# Altium PCB Computer_Board_Mockup.PcbDoc (part 1 of 5) (continued)
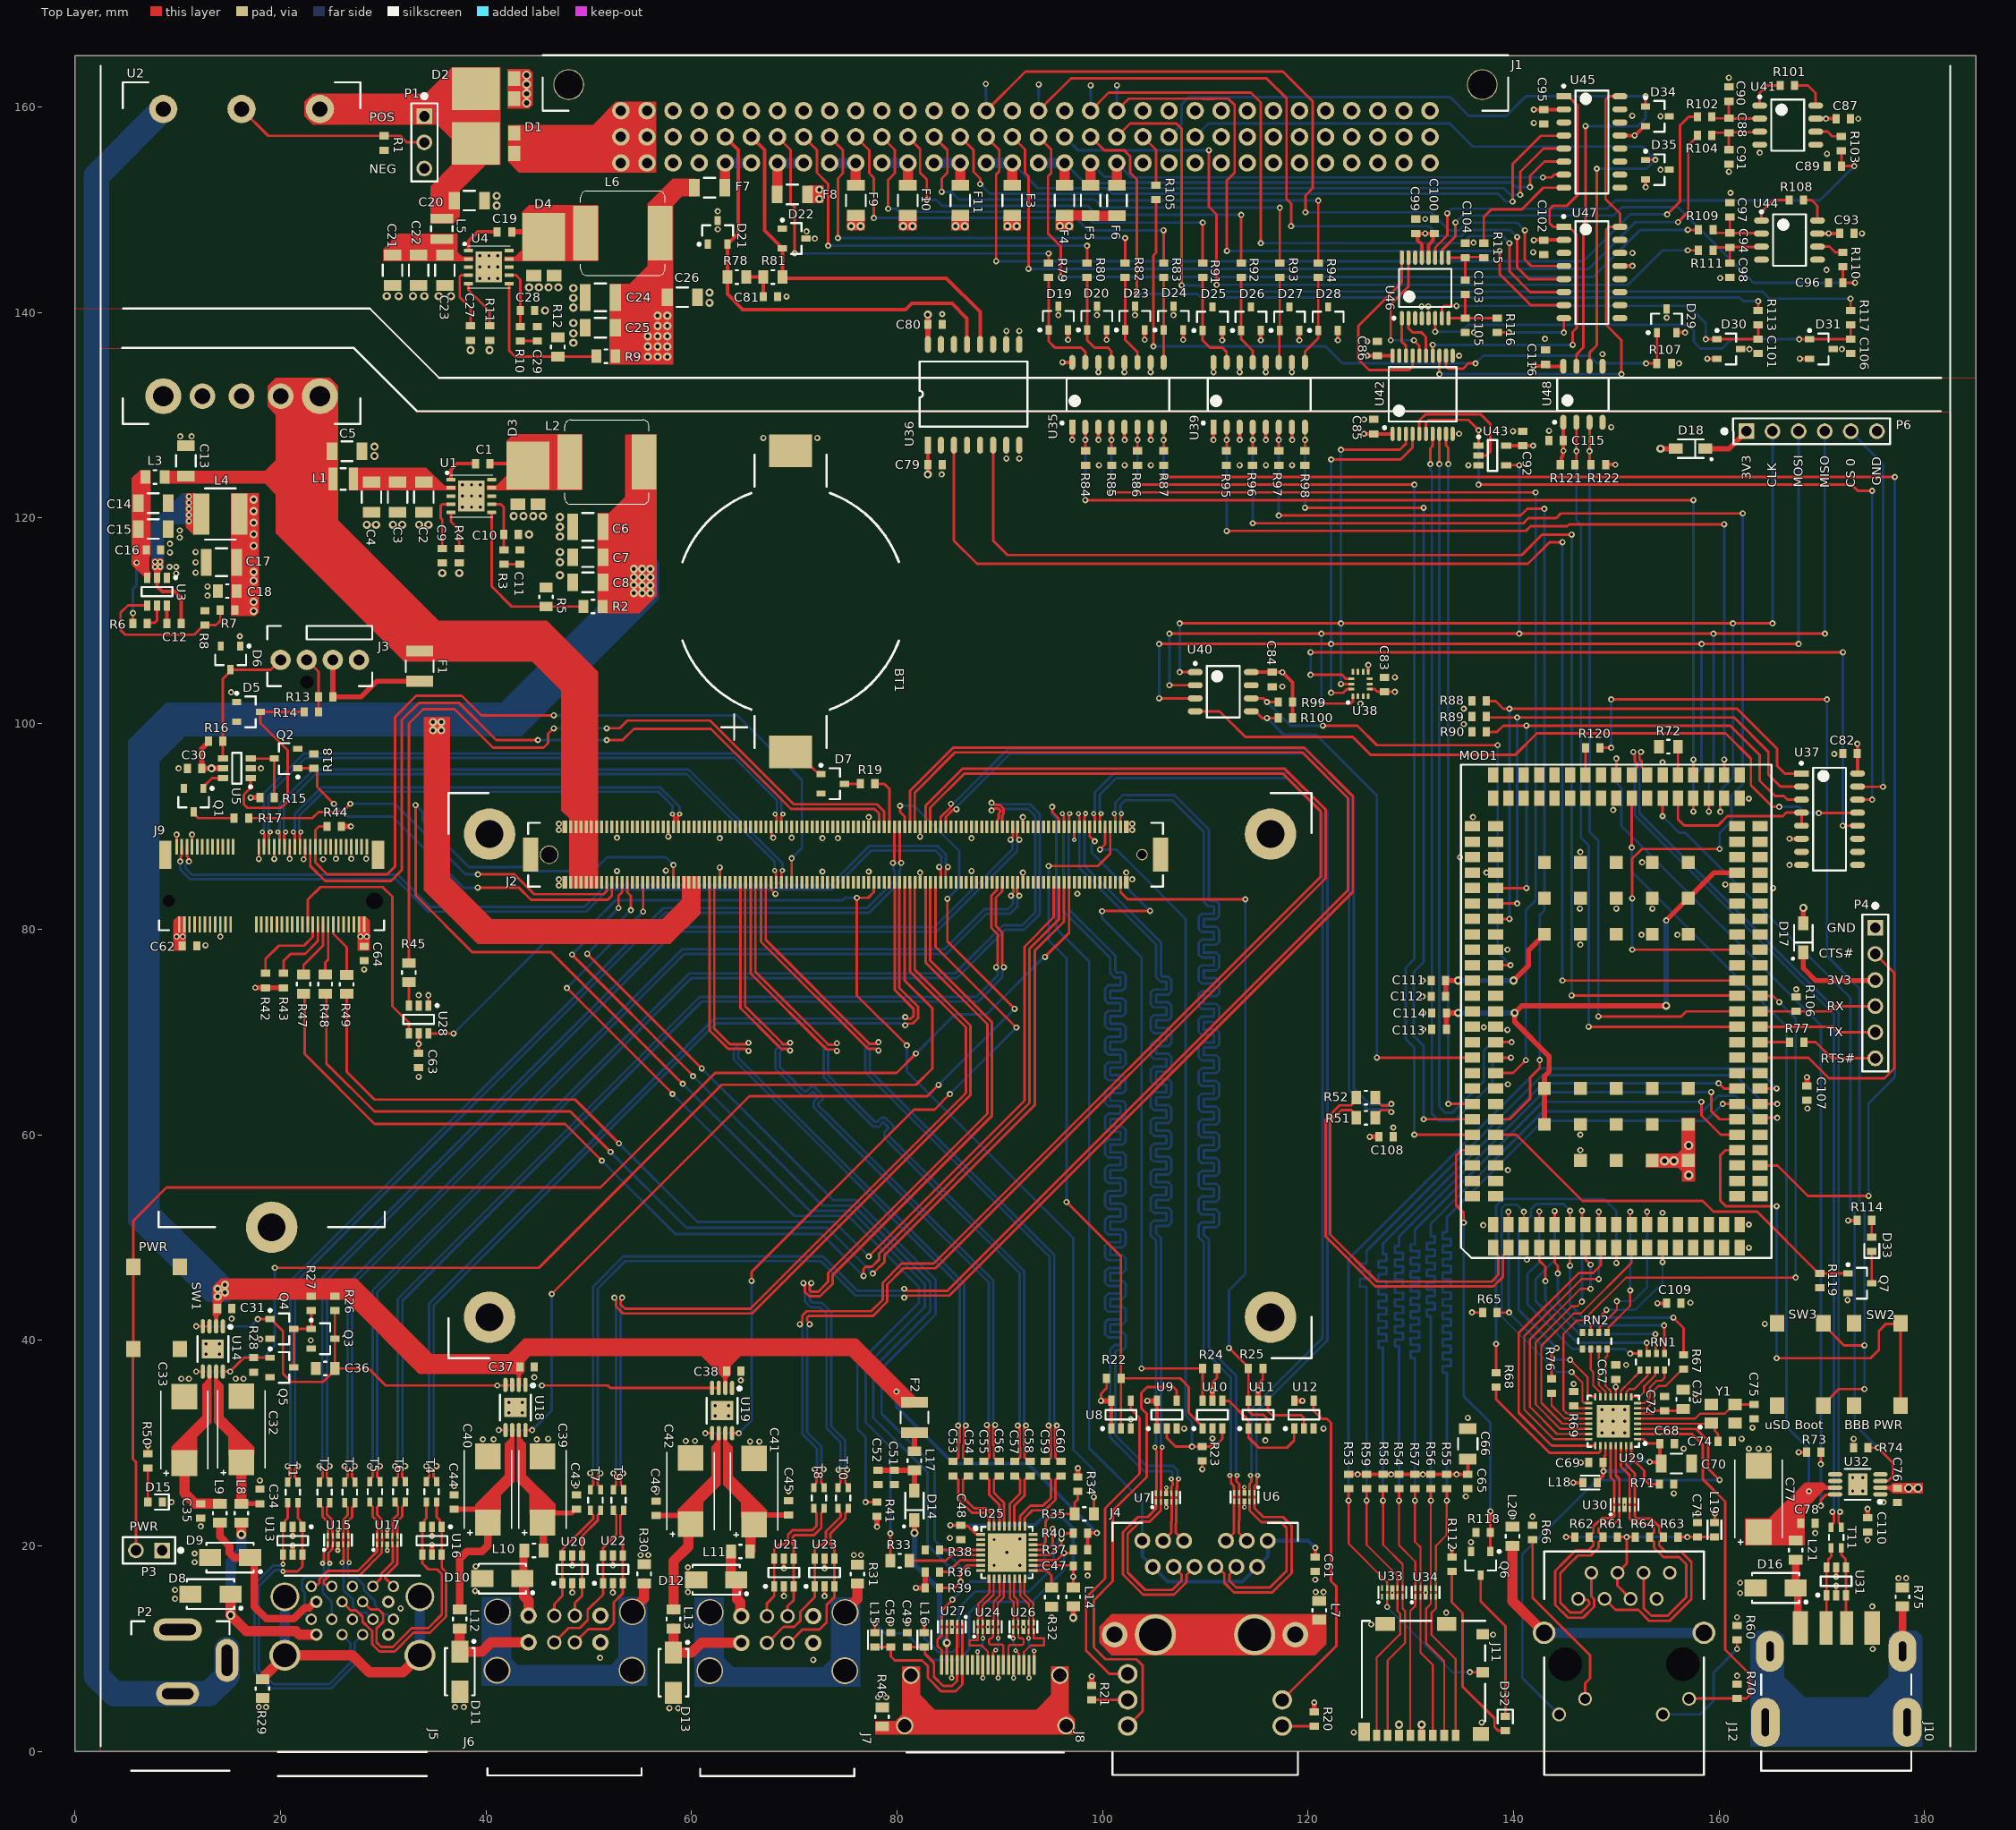
[diagram p0: Top Layer view]
## Components (designator, comment, footprint, x,y, rotation, side; value= is the part's Value field where it differs from the comment) (continued)
L5 "ind_1" CHIP_1008_IND 35.7,148.15 r270 top
L6 "ind_1" VISHAY_IHLP3232DZ 53.32,147.725 r0 top
L7 "bead_0" CHIP_0805_FE 121.1,13.725 r90 top
L8 "bead_0" CHIP_0805_FE 16.2,23.175 r270 top
L9 "bead_0" CHIP_0805_FE 14.1,23.175 r270 top
L10 "bead_0" CHIP_0805_FE 44.675,19.55 r180 top
L11 "bead_0" CHIP_0805_FE 64.775,19.45 r180 top
L12 "bead_0" CHIP_0805_FE 37.45,12.875 r270 top
L13 "bead_0" CHIP_0805_FE 58.25,12.875 r270 top
L14 "bead_0" chip_0805 97.15,15.025 r270 top
L15 "bead_0" CHIP_0603_FE 77.85,10.85 r270 top
L16 "bead_0" CHIP_0603_FE 82.65,10.85 r270 top
L17 "bead_0" chip_0805 81.7,28.275 r90 top
L18 "bead_0" CHIP_0603_FE 147.45,26.15 r0 top
L19 "bead_0" CHIP_0603_FE 159.55,21.55 r90 top
L20 "bead_0" CHIP_0805_FE 139.9,20.925 r270 top
L21 "bead_0" CHIP_0805_FE 167.45,19.575 r270 top
MOD1 "BCM1.STR" BEAGLECORE_BCM1 150,72 r90 top
P1 "conn-3x1_0" hddr_3x1_0 34,156.56 r270 top
P2 "conn-barrel_0" SWITCHCRAFT_RAPC722X 10,-1.9 r0 top
P3 "conn-2x1_0" hddr_2x1_0 7.2,19.55 r180 top
P4 "conn-6x1_0" HDDR_6X1_0 175.2,73.775 r270 top
P6 "conn-6x1_0" HDDR_6X1_0 169.015,128.45 r0 top
Q1 "n-mosfet_1" sot-23-3 11.55,92.55 r270 top
Q2 "n-mosfet_1" sot-23-3 20.55,96.6 r180 top
Q3 "n-mosfet_1" sot-23-3 24.15,40.15 r0 top
Q4 "n-mosfet_1" sot-23-3 20.15,41.1 r0 top
Q5 "n-mosfet_1" sot-23-3 20.15,37.35 r0 top
Q6 "n-mosfet_1" sot-23-3 136.8,18.3 r270 top
Q7 "n-mosfet_1" sot-23-3 173.7,45.55 r0 top
R1 "res_single" chip_0603 30.1,156.5 r270 top
R2 "res_single" chip_0805 50.425,111.4 r180 top
R3 "res_single" chip_0603 41.75,116.2 r270 top
R4 "res_single" chip_0603 37.4,116.35 r270 top
R5 "res_single" chip_0805 45.85,112.325 r90 top
R6 "res_single" chip_0603 6.35,109.75 r0 top
R7 "res_single" chip_0603 14.85,111.05 r180 top
R8 "res_single" chip_0603 12.65,110.3 r90 top
R9 "res_single" chip_0805 51.675,135.75 r180 top
R10 "res_single" chip_0603 43.35,137.95 r270 top
R11 "res_single" chip_0603 40.35,138 r270 top
R12 "res_single" chip_0805 47,136.65 r90 top
R13 "res_single" chip_0603 24.4,102.6 r0 top
R14 "res_single" chip_0603 23,101.15 r180 top
R15 "res_single" chip_0603 18.7,92.8 r180 top
R16 "res_single" chip_0603 13.7,98.3 r0 top
R17 "res_single" chip_0603 16.2,90.8 r0 top
R18 "res_single" chip_0603 23.25,96.35 r90 top
R19 "res_single" chip_0603 77.15,94.15 r0 top
R20 "res_single" chip_0603 120.6,3.15 r270 top
R21 "res_single" chip_0603 98.95,5.7 r270 top
R22 "res_single" chip_0603 101.1,36.3 r0 top
R23 "res_single" chip_0603 109.7,28.95 r90 top
R24 "res_single" chip_0603 110.45,37.25 r180 top
R25 "res_single" chip_0603 114.9,37.25 r180 top
R26 "res_single" chip_0603 25.3,43.6 r270 top
R27 "res_single" chip_0603 23,43.6 r270 top
R28 "res_single" chip_0603 17.4,37.6 r270 top
R29 "res_single" chip_0805 18.25,6.1 r90 top
R30 "res_single" chip_0805 55.4,17.275 r270 top
R31 "res_single" chip_0805 76.15,17.25 r270 top
R32 "res_single" chip_0805 95.05,15 r270 top
R33 "res_single" chip_0805 80.275,18.55 r0 top
R34 "res_single" chip_0603 97.6,26 r270 top
R35 "res_single" chip_0805 98.225,23.1 r180 top
R36 "res_single" chip_0603 83.45,17.45 r0 top
R37 "res_single" chip_0603 97.85,19.625 r180 top
R38 "res_single" chip_0603 83.45,19.6 r180 top
R39 "res_single" chip_0603 83.45,15.9 r0 top
R40 "res_single" chip_0603 97.85,21.225 r180 top
R41 "res_single" chip_0603 78.05,23.55 r90 top
R42 "res_single" chip_0603 18.55,75 r90 top
R43 "res_single" chip_0603 20.3,75 r90 top
R44 "res_single" chip_0603 25.25,90 r180 top
R45 "res_single" chip_0805 32.5,75.775 r90 top
R46 "res_single" chip_0805 78.55,3.35 r270 top
R47 "res_single" chip_0805 22.25,74.65 r270 top
R48 "res_single" chip_0805 24.35,74.65 r270 top
R49 "res_single" chip_0805 26.45,74.625 r270 top
R50 "res_single" chip_0603 7.1,28.25 r90 top
R51 "res_single" chip_0805 125.625,61.65 r180 top
R52 "res_single" chip_0805 125.625,63.6 r180 top
R53 "res_single" chip_0603 123.95,26.25 r90 top
R54 "res_single" chip_0603 128.85,26.25 r90 top
R55 "res_single" chip_0603 133.5,26.25 r90 top
R56 "res_single" chip_0603 131.95,26.25 r90 top
R57 "res_single" chip_0603 130.4,26.25 r90 top
R58 "res_single" chip_0603 127.3,26.25 r90 top
R59 "res_single" chip_0603 125.7,26.25 r90 top
R60 "res_single" chip_0603 161.75,11.55 r270 top
R61 "res_single" chip_0603 149.4,20.85 r180 top
R62 "res_single" chip_0603 146.65,20.85 r0 top
R63 "res_single" chip_0603 155.3,20.85 r180 top
R64 "res_single" chip_0603 152.55,20.85 r0 top
R65 "res_single" chip_0603 137.7,42.7 r0 top
R66 "res_single" chip_0603 141.85,21.3 r90 top
R67 "res_single" chip_0603 156.55,37.9 r270 top
R68 "res_single" chip_0603 138.3,36.15 r270 top
R69 "res_single" chip_0603 145.85,34.3 r270 top
R70 "res_single" chip_0603 161.75,5.85 r270 top
R71 "res_single" chip_0603 154.9,26 r0 top
R72 "res_single" chip_0805 155.075,97.75 r0 top
R73 "res_single" chip_0603 169.2,29.1 r180 top
R74 "res_single" chip_0603 173.8,29.55 r0 top
R75 "res_single" chip_0805 177.85,15.025 r270 top
R76 "res_single" chip_0603 143.7,35.55 r270 top
R77 "res_single" chip_0603 167.55,69 r0 top
R78 "res_single" chip_0805 64.425,143.45 r0 top
R79 "res_single" chip_0603 94.75,144.1 r90 top
R80 "res_single" chip_0603 98.5,144.1 r90 top
R81 "res_single" chip_0805 67.925,143.45 r0 top
R82 "res_single" chip_0603 102.2,144.1 r90 top
R83 "res_single" chip_0603 105.95,144.1 r90 top
R84 "res_single" chip_0603 98.35,125.85 r90 top
R85 "res_single" chip_0603 100.9,125.85 r90 top
R86 "res_single" chip_0603 103.4,125.85 r90 top
R87 "res_single" chip_0603 105.95,125.85 r90 top
R88 "res_single" chip_0603 136.65,102.2 r0 top
R89 "res_single" chip_0603 136.65,100.7 r0 top
R90 "res_single" chip_0603 136.65,99.2 r0 top
R91 "res_single" chip_0603 109.75,144.1 r90 top
R92 "res_single" chip_0603 113.5,144.1 r90 top
R93 "res_single" chip_0603 117.25,144.1 r90 top
R94 "res_single" chip_0603 121,144.1 r90 top
R95 "res_single" chip_0603 112.05,125.85 r90 top
R96 "res_single" chip_0603 114.6,125.85 r90 top
R97 "res_single" chip_0603 117.15,125.85 r90 top
R98 "res_single" chip_0603 119.7,125.85 r90 top
R99 "res_single" chip_0603 117.8,102.1 r180 top
R100 "res_single" chip_0603 117.8,100.55 r180 top
R101 "res_single" chip_0603 166.65,162.1 r180 top
R102 "res_single" chip_0603 158.6,159.05 r180 top
R103 "res_single" chip_0603 171.9,156.45 r90 top
R104 "res_single" chip_0603 158.6,157.25 r180 top
R105 "res_single" chip_0603 105.2,151.7 r90 top
R106 "res_single" chip_0603 167.5,72.7 r90 top
R107 "res_single" chip_0603 154.65,135.05 r180 top
R108 "res_single" chip_0603 167.5,150.95 r180 top
R109 "res_single" chip_0603 158.7,148.05 r180 top
R110 "res_single" chip_0603 172.05,145.15 r90 top
R111 "res_single" chip_0603 158.7,146.05 r180 top
R112 "res_single" chip_0603 134,18.2 r90 top
R113 "res_single" chip_0603 163.8,139.5 r90 top
R114 "res_single" chip_0603 174.15,51.65 r180 top
R115 "res_single" chip_0603 137.1,146.05 r90 top
R116 "res_single" chip_0603 138.4,138.75 r270 top
R117 "res_single" chip_0603 172.8,139.5 r90 top
R118 "res_single" chip_0603 137.05,21.3 r180 top
R119 "res_single" chip_0603 169.8,45.8 r270 top
R120 "res_single" chip_0603 147.7,97.65 r180 top
R121 "res_single" chip_0603 145.25,125.2 r0 top
R122 "res_single" chip_0603 148.25,125.2 r180 top
RN1 "res_array_4" chip_1206_arr 153.5,37.85 r270 top
RN2 "res_array_4" chip_1206_arr 147.9,39.9 r270 top
SW1 "SW_1P1T_2" B3FS-1000 7.95,43.15 r270 top
SW2 "SW_1P1T_2" B3FS-1000 175.4,37.65 r90 top
SW3 "SW_1P1T_2" B3FS-1000 167.9,37.65 r90 top
T1 "DLW21HN900SQ2L" MURATA_DLW21H 21.2,25.2 r270 top
T2 "DLW21HN900SQ2L" MURATA_DLW21H 24.3,25.2 r270 top
T3 "DLW21HN900SQ2L" MURATA_DLW21H 26.75,25.2 r270 top
T4 "DLW21HN900SQ2L" MURATA_DLW21H 34.7,25.25 r270 top
T5 "DLW21HN900SQ2L" MURATA_DLW21H 29.2,25.25 r270 top
T6 "DLW21HN900SQ2L" MURATA_DLW21H 31.65,25.25 r270 top
T7 "DLW21HN900SQ2L" MURATA_DLW21H 50.65,24.45 r270 top
T8 "DLW21HN900SQ2L" MURATA_DLW21H 72.4,24.65 r270 top
T9 "DLW21HN900SQ2L" MURATA_DLW21H 52.9,24.45 r270 top
T10 "DLW21HN900SQ2L" MURATA_DLW21H 74.75,24.65 r270 top
T11 "DLW21HN900SQ2L" MURATA_DLW21H 171.4,20.8 r270 top
U1 "TPS54561" WSON-10_0 38.6,122.15 r0 top
U2 "UWS-12/4.5-Q48N-C" MURATA_UWS 16.22,159.8 r270 top
U3 "TPS56220x" sot-23-6 8,112.85 r270 top
U4 "TPS54561" WSON-10_0 40.3,144.425 r0 top
U5 "SN74LVC2G04" sot-23-6 15.75,95.65 r180 top
U6 "TPD4E02B04DQAR" USON-10 113.8,24.732 r270 top
U7 "TPD4E02B04DQAR" USON-10 106.2,24.7 r90 top
U8 "SN74LVC1G126DBVR" sot-23-5 101.8,32.75 r90 top
U9 "SN74LVC1G126DBVR" sot-23-5 106.25,32.75 r90 top
U10 "SN74LVC1G10DBVR" sot-23-6 110.7,32.75 r90 top
U11 "SN74LVC1G11DBVR" sot-23-6 115.15,32.75 r90 top
U12 "SN74LVC1G126DBVR" sot-23-5 119.6,32.75 r90 top
U13 "USBLC6-2SC6Y" sot-23-6 21.2,20.5 r270 top
U14 "TPS2066DGNR" VSSOP-8-PPAD 13.425,39.15 r270 top
U15 "TPD4E02B04DQAR" USON-10 25.6,20.55 r90 top
U16 "USBLC6-2SC6Y" sot-23-6 34.75,20.5 r270 top
U17 "TPD4E02B04DQAR" USON-10 30.4,20.55 r90 top
U18 "TPS2066DGNR" VSSOP-8-PPAD 42.875,33.45 r270 top
U19 "TPS2066DGNR" VSSOP-8-PPAD 62.975,33.15 r270 top
U20 "USBLC6-2SC6Y" sot-23-6 48.4,17.7 r90 top
U21 "USBLC6-2SC6Y" sot-23-6 69,17.4 r90 top
U22 "USBLC6-2SC6Y" sot-23-6 52.35,17.7 r90 top
U23 "USBLC6-2SC6Y" sot-23-6 72.95,17.4 r90 top
U24 "TPD4E02B04DQAR" USON-10 88.851,12.118 r90 top
U25 "PTN3366BSMP" HVQFN-32 90.7,19.35 r0 top
U26 "TPD4E02B04DQAR" USON-10 92.3,12.118 r90 top
U27 "TPD4E02B04DQAR" USON-10 85.35,12.118 r270 top
U28 "SN74LVC1G11DBVR" sot-23-6 33.45,71.225 r270 top
U29 "LAN8710AI-EZK-TR" QFN-32-EP 149.7,32.125 r180 top
U30 "TPD4E02B04DQAR" USON-10 150.8,24 r90 top
U31 "USBLC6-2SC6Y" sot-23-6 171.4,16.55 r90 top
U32 "TPS2066DGNR" VSSOP-8-PPAD 173.5,25.975 r180 top
U33 "TPD4E02B04DQAR" USON-10 128.2,15.45 r90 top
U34 "TPD4E02B04DQAR" USON-10 131.45,15.45 r90 top
U35 "TLP291-4" SO-16-6.3mm 101.5,132 r90 top
U36 "ADM3050EBRWZ" SOW-16 87.45,132 r90 top
U37 "74HC138" SO-16 170.75,90.7 r0 top
U38 "LSM6DS3TR" LGA14 125.1,103.85 r90 top
U39 "TLP291-4" SO-16-6.3mm 115.25,132 r90 top
U40 "ADT7310" SO-8 111.75,103.1 r0 top
U41 "LT1920CS8#PBF" SO-8 166.675,158.235 r0 top
U42 "ADuM3153BRSZ" tssop-20_1 131.15,132 r90 top
U43 "SN74AHCT1G125" sot-23-5 137.949,126.1 r0 top
U44 "LT1920CS8#PBF" SO-8 166.85,147.05 r0 top
U45 "DG408DY" SO-16 147.626,156.595 r0 top
U46 "ADS1220IPWR" TSSOP-16_0 131.4,142.4 r90 top
U47 "DG408DY" SO-16 147.625,143.895 r0 top
U48 "ISO1541DR" SO-8 146.75,132.05 r90 top
Y1 "osc_xtal_4p_1-3" ECX-32 160.4,32.85 r0 top

## Footprints (in the part's own frame and the unit in brackets; to place one, negate y for a bottom-side part, rotate by r counter-clockwise, add the part's x,y. Pads: shape width x height; smd on the part's side, far side on the other; paste and mask are expansions set on the pad)
AMPHENOL_10029449 [mm] "Amphenol HDMI type A connector"
  rect 0.3x1.9 smd mask+0.05: 1(4.75,0.95) 2(4.25,0.95) 3(3.75,0.95) 4(3.25,0.95) 5(2.75,0.95) 6(2.25,0.95) 7(1.75,0.95) 8(1.25,0.95) 9(0.75,0.95) 10(0.25,0.95) 11(-0.25,0.95) 12(-0.75,0.95) 13(-1.25,0.95) 14(-1.75,0.95) 15(-2.25,0.95) 16(-2.75,0.95) 17(-3.25,0.95) 18(-3.75,0.95) 19(-4.25,0.95)
  round 1.7 hole 1.3: 20(-7.85,-4.95) 20(-7.25,-0.05) 20(7.25,-0.05) 20(7.85,-4.95)
  silkscreen extent -7.65,-7.55 7.65,-7.55, body extent -8.1,-8.5 8.1,1.6, height 6.25
AMPHENOL_RJMG1B [mm]
  round 1.35 hole 3.25 unplated: 0(-5.715,0) 0(5.715,0)
  round 1.35 hole 0.9: 1(-4.445,6.35) 2(-3.175,8.89) 3(-1.905,6.35) 4(-0.635,8.89) 5(0.635,6.35) 6(1.905,8.89) 7(3.175,6.35) 8(4.445,8.89)
  round 1.35 hole 0.95: 9(6.325,-3.38) 10(3.785,-4.9) 11(-3.785,-3.38) 12(-6.325,-4.9)
  round 2.2 hole 1.6: 13(-7.775,3.05) 13(7.775,3.05)
  silkscreen extent -7.78,-10.8 7.78,10.95, body extent -9.87,-10.86 9.87,10.92, height 15.47
B3FS-1000 [mm] "Tactile Switch, Omron, SMD, B3FS Series"
  rect 1.6x1.4 smd: 1(4,-2.25) 2(-4,-2.25) 3(4,2.25) 4(-4,2.25)
  body extent -4,-3.15 4,3.15, height 3
BEAGLECORE_BCM1 [mm] "BeagleCore SOM LGA footprint"
  rect 1.5x1 smd: 1(-23,12) 2(-23,10.5) 3(-23,9) 4(-23,7.5) 5(-23,6) 6(-23,4.5) 7(-23,3) 8(-23,1.5) 9(-23,0) 10(-23,-1.5) 11(-23,-3) 12(-23,-4.5) 13(-23,-6) 14(-23,-7.5) 15(-23,-9) 16(-23,-10.5) 17(-23,-12) 18(-20.75,12) 19(-20.75,10.5) 20(-20.75,9) 21(-20.75,7.5) 22(-20.75,6) 23(-20.75,4.5) 24(-20.75,3) 25(-20.75,1.5) 26(-20.75,0) 27(-20.75,-1.5) 28(-20.75,-3) 29(-20.75,-4.5) 30(-20.75,-6) 31(-20.75,-7.5) 32(-20.75,-9) 33(-20.75,-10.5) 34(-20.75,-12) 85(23,-12) 86(23,-10.5) 87(23,-9.025) 88(23,-7.5) 89(23,-6) 90(23,-4.5) 91(23,-3) 92(23,-1.5) 93(23,0) 94(23,1.5) 95(23,3) 96(23,4.5) 97(23,6) 98(23,7.5) 99(23,9) 100(23,10.5) 101(23,12) 102(20.75,-12) 103(20.75,-10.5) 104(20.75,-9) 105(20.75,-7.5) 106(20.75,-6) 107(20.75,-4.5) 108(20.75,-3) 109(20.75,-1.5) 110(20.75,0) 111(20.75,1.5) 112(20.75,3) 113(20.75,4.5) 114(20.75,6) 115(20.75,7.5) 116(20.75,9) 117(20.75,10.5) 118(20.75,12)
  rect 1x1.5 smd: 35(-18,-14) 36(-16.5,-14) 37(-15,-14) 38(-13.5,-14) 39(-12,-14) 40(-10.5,-14) 41(-9,-14) 42(-7.5,-14) 43(-6,-14) 44(-4.5,-14) 45(-3,-14) 46(-1.5,-14) 47(0,-14) 48(1.5,-14) 49(3,-14) 50(4.5,-14) 51(6,-14) 52(7.5,-14) 53(9,-14) 54(10.5,-14) 55(12,-14) 56(13.5,-14) 57(15,-14) 58(16.5,-14) 59(18,-14) 60(-18,-11.75) 61(-16.5,-11.75) 62(-15,-11.75) 63(-13.5,-11.75) 64(-12,-11.75) 65(-10.5,-11.75) 66(-9,-11.75) 67(-7.5,-11.75) 68(-6,-11.75) 69(-4.5,-11.75) 70(-3,-11.75) 71(-1.5,-11.75) 72(0,-11.75) 73(1.5,-11.75) 74(3,-11.75) 75(4.5,-11.75) 76(6,-11.75) 77(7.5,-11.75) 78(9,-11.75) 79(10.5,-11.75) 80(12,-11.75) 81(13.5,-11.75) 82(15,-11.75) 83(16.5,-11.75) 84(18,-11.75) 119(18,14) 120(16.5,14) 121(15,14) 122(13.5,14) 123(12,14) 124(10.5,14) 125(9,14) 126(7.5,14) 127(6,14) 128(4.5,14) 129(3,14) 130(1.5,14) 131(0,14) 132(-1.5,14) 133(-3,14) 134(-4.5,14) 135(-6,14) 136(-7.5,14) 137(-9,14) 138(-10.5,14) 139(-12,14) 140(-13.5,14) 141(-15,14) 142(-16.5,14) 143(-18,14) 144(18,11.75) 145(16.5,11.75) 146(15,11.75) 147(13.5,11.75) 148(12,11.75) 149(10.5,11.75) 150(9,11.75) 151(7.5,11.75) 152(6,11.75) 153(4.5,11.75) 154(3,11.75) 155(1.5,11.75) 156(0,11.75) 157(-1.5,11.75) 158(-3,11.75) 159(-4.5,11.75) 160(-6,11.75) 161(-7.5,11.75) 162(-9,11.75) 163(-10.5,11.75) 164(-12,11.75) 165(-13.5,11.75) 166(-15,11.75) 167(-16.5,11.75) 168(-18,11.75)
  rect 1.25x1.25 smd: A2(-14.5,3.5) A3(-14.5,0) A4(-14.5,-3.5) A5(-14.5,-7) B1(-11,7) B2(-11,3.5) B3(-11,0) B4(-11,-3.5) B5(-11,-7) C1(-7.5,7) C2(-7.5,3.5) C3(-7.5,0) C4(-7.5,-3.5) C5(-7.5,-7) G1(7.5,7) G2(7.5,3.5) G3(7.5,0) G4(7.5,-3.5) G5(7.5,-7) H1(11,7) H2(11,3.5) H3(11,0) H4(11,-3.5) H5(11,-7) I1(14.5,7) I2(14.5,3.5) I3(14.5,0) I4(14.5,-3.5) I5(14.5,-7)
  silkscreen extent -24,-15.11 24,15.11, body extent -24,-15.1 24,15.1, height 3.23
BOURNS_SRN5040 [mm] "Bourns SRN5040 series inductors"
  rect 1.6x4 smd: 1(-1.85,0) 2(1.85,0)
  silkscreen extent -1.5,-2.5 1.5,2.5, body extent -2.5,-2.52 2.5,2.5, height 3.5
BU2032SM-JJ-GTR [mm] "CR2032 Battery Holder"
  rect 3.2x4.2 smd: 1(-14.65,0) 2(14.65,0)
  silkscreen extent -14.25,-10.52 14.25,10.52, body extent -15.85,-10 15.85,10, height 5.3
chip_0603 [mm]
  rect 0.7x0.9 smd: 1(-0.7,0) 2(0.7,0)
  body extent -0.85,-0.45 0.85,0.45, height 0.6
CHIP_0603_FE [mm]
  rect 0.7x0.9 smd: 1(-0.7,0) 2(0.7,0)
  silkscreen extent -0.9,-0.67 0.9,0.67, body extent -0.85,-0.45 0.85,0.45, height 0.92
chip_0603_LED [mm]
  rect 0.7x0.9 smd: 1(-0.7,0) 2(0.7,0)
  silkscreen extent -1.35,-0.75 0,0.72, body extent -0.85,-0.45 0.85,0.45, height 0.6
chip_0805 [mm]
  rect 0.95x1.3 smd: 1(-0.925,0) 2(0.925,0)
  silkscreen extent -0.13,-0.66 0.13,0.66, body extent -1.05,-0.65 1.05,0.65, height 0.6
CHIP_0805_FE [mm] "0805 Ferrite Bead"
  rect 0.95x1.35 smd: 1(-0.925,0) 2(0.925,0)
  silkscreen extent -0.13,-0.66 0.13,0.66, body extent -1.05,-0.65 1.05,0.65, height 1.17
CHIP_1008_IND [mm]
  rect 0.9x2.2 smd: 1(-1,0) 2(1,0)
  silkscreen extent -0.25,-1.05 0.25,1.05, body extent -1.25,-1 1.25,1, height 0.9
chip_1206 [mm]
  rect 1.05x1.7 smd: 1(-1.475,0) 2(1.475,0)
  silkscreen extent -0.55,-0.95 0.55,0.95, body extent -1.65,-0.85 1.65,0.85, height 0.6
chip_1206_arr [mm] "4 element array"
  rect 0.7x0.5 smd mask+0.062: 1(-0.85,1.2) 2(-0.85,0.4) 3(-0.85,-0.4) 4(-0.85,-1.2) 5(0.75,-1.2) 6(0.75,-0.4) 7(0.75,0.4) 8(0.75,1.2)
  silkscreen extent -0.3,-1.6 0.25,1.6, body extent -0.85,-1.6 0.75,1.6, height 0.53
chip_1210 [mm]
  rect 1.05x2.6 smd: 1(-1.475,0) 2(1.475,0)
  silkscreen extent -0.55,-1.35 0.55,1.35, body extent -1.65,-1.3 1.65,1.3, height 0.6
chip_2917_KEMET_T495 [mm] "2917 footprint for AVX TAJD"
  rect 2.5x2.5 smd: 1(-3.226,0) 2(3.226,0)
  silkscreen extent -4.45,-2.3 3.8,2.3, body extent -3.8,-2.31 3.8,2.29, height 3.11
CNC_TECH_1003-004-01010 [mm] "USB-A 3.0 x2 from CNC Tech"
  round 1.2 hole 0.7: 1(-3.5,-1.5) 4(3.5,-1.5) 10(-3.5,1.7) 13(3.5,1.7)
  round 1.1 hole 0.7: 2(-1,-1.5) 3(1,-1.5) 5(-4,0) 6(-2,0) 7(0,0) 8(2,0) 9(4,0) 11(-1,1.7) 12(1,1.7) 14(-4,3.2) 15(-2,3.2) 16(0,3.2) 17(2,3.2) 18(4,3.2)
  round 3 hole 2.3: 19(-6.57,-3.5) 19(6.57,-3.5)
  round 2.8 hole 2.3: 19(-6.57,2.19) 19(6.57,2.19)
  silkscreen extent -7.25,-15.25 7.25,4.25, body extent -7.25,-15.28 7.25,4.22, height 15.29
CUI_UJ2-ADH-1-TH [mm] "USB 2.0 Double Decker R/A"
  round 1.6 hole 0.925 unplated: 1(-3.5,2.6) 4(3.5,2.6) 5(-3.5,0) 8(3.5,0)
  round 1.4 hole 0.925 unplated: 2(-1,2.6) 3(1,2.6) 6(-1,0) 7(1,0)
  round 2.6 hole 2.3 unplated: 9(-6.57,-2.71) 9(-6.54,2.97) 9(6.57,-2.71) 9(6.6,2.97)
  silkscreen extent -7.5,-12.95 7.5,-12.25, body extent -8.02,-12.97 8.02,4.12, height 16.17
do-214ac [mm] "DO-214AC, SMA"
  rect 2.15x1.65 smd: 1(-1.95,0) 2(1.95,0)
  silkscreen extent -3.08,-1.45 2.3,1.5, body extent -2.3,-1.46 2.3,1.46, height 2.3
ECX-32 [mm] "ECS Inc. Crystal ECX-32 Series"
  rect 1.3x1.1 smd mask+0.05: 1(-1.15,-0.9) 2(1.15,-0.9) 3(1.15,0.9) 4(-1.15,0.9)
  silkscreen extent -2.37,-1.42 -2.12,-1.18, body extent -1.6,-1.25 1.6,1.25, height 0.8
hddr_2x1_0 [mil] "0.1\" Header 2x1"
  rect 60x60 hole 40: 1(-50.39,0)
  round 60 hole 40: 2(49.61,0)
  silkscreen extent -128,-50 100,50, body extent -100,-50 100,50, height 336
hddr_3x1_0 [mil] "0.1\" Header 3x1"
  rect 60x60 hole 40: 1(-100,0)
  round 60 hole 40: 2(0,0) 3(100,0)
  silkscreen extent -185,-49 150,51, body extent -150,-49 150,51, height 336
HDDR_6X1_0 [mil] "0.1\" Header 6x1"
  rect 60x60 hole 40: 1(-250.2,0)
  round 60 hole 40: 2(-150.2,0) 3(-50.2,0) 4(49.8,0) 5(149.8,0) 6(249.8,0)
  silkscreen extent -343,-49 300,49, body extent -301,-49 299,51, height 336
HVQFN-32 [mm]
  rect 0.85x0.27 smd mask+0.05: 1(-2.55,1.75) 2(-2.55,1.25) 3(-2.55,0.75) 4(-2.55,0.25) 5(-2.55,-0.25) 6(-2.55,-0.75) 7(-2.55,-1.25) 8(-2.55,-1.75) 17(2.55,-1.75) 18(2.55,-1.25) 19(2.55,-0.75) 20(2.55,-0.25) 21(2.55,0.25) 22(2.55,0.75) 23(2.55,1.25) 24(2.55,1.75)
  rect 0.27x0.85 smd mask+0.05: 9(-1.75,-2.55) 10(-1.25,-2.55) 11(-0.75,-2.55) 12(-0.25,-2.55) 13(0.25,-2.55) 14(0.75,-2.55) 15(1.25,-2.55) 16(1.75,-2.55) 25(1.75,2.55) 26(1.25,2.55) 27(0.75,2.55) 28(0.25,2.55) 29(-0.25,2.55) 30(-0.75,2.55) 31(-1.25,2.55) 32(-1.75,2.55)
  rect 3.75x3.75 smd mask+0.075: 33(0,0)
  silkscreen extent -3.2,-2.5 2.5,2.5, body extent -2.5,-2.5 2.5,2.5, height 0.85
J0G-0003NL [mm] "RJ45 Mag-Jack"
  round 1.55 hole 0.95: 1(-5.08,2.54) 2(-3.05,2.54) 3(-1.02,2.54) 4(1.02,2.54) 5(3.05,2.54) 6(5.08,2.54) 7(-6.1,0) 8(-4.07,0) 9(-2.04,0) 10(2.04,0) 11(4.07,0) 12(6.1,0)
  round 1.9 hole 1.27: 13(-7.52,15.49) 14(-7.52,18.03) 15(7.52,12.95) 16(7.52,15.49) 17(7.52,18.03)
  round 2.5 hole 1.57: 18(-8.79,9.14) 18(8.79,9.14)
  round 4 hole 3.2: 18(-4.83,9.14) 18(4.83,9.14)
  silkscreen extent -9.05,-1.75 9,22.8, body extent -9.02,-1.76 9.02,22.79, height 11.05
LGA14 [mm]
  rect 0.55x0.25 smd mask+0.065: 1(-1.18,0.739) 2(-1.18,0.239) 3(-1.18,-0.261) 4(-1.18,-0.761) 8(1.18,-0.761) 9(1.18,-0.261) 10(1.18,0.239) 11(1.18,0.739)
  rect 0.25x0.55 smd mask+0.065: 5(-0.5,-0.911) 6(0,-0.911) 7(0.5,-0.911) 12(0.5,0.889) 13(0,0.889) 14(-0.5,0.889)
  silkscreen extent -1.9,1.1 -1.7,1.3, body extent -1.5,-1.2 1.5,1.2, height 0.86
MOLEX_0470531000 [mm] "Molex 4-Pos Header 0470531000"
  round 0 hole 1.3 unplated: 0(-5.08,-2.16)
  round 1.97 hole 1.07: 1(0,0) 2(-2.54,0) 3(-5.08,0) 4(-7.62,0)
  silkscreen extent -8.92,-2.55 1.3,3.3, body extent -8.91,-2.54 1.29,3.3, height 10
MOLEX_1040310811 [mm] "Molex uSD Card Socket"
  rect 0.75x1.1 smd mask+0.075: 1(3.105,0.25) 2(2.005,0.25) 3(0.905,0.25) 4(-0.195,0.25) 5(-1.295,0.25) 6(-2.395,0.25) 7(-3.495,0.25)
  rect 0.7x1.1 smd mask+0.075: 8(-4.57,0.25)
  rect 1.2x1 smd: 9(5.74,6.4) 10(5.74,10.1)
  rect 1.125x1.8 smd: 11(-5.8,0.6)
  rect 1.9x1.35 smd: 11(-3.73,11.075) 11(2.24,11.075)
  rect 1.55x1.35 smd: 11(5.565,0.375)
  silkscreen extent -6,1.65 6,11.4, body extent -5.97,-0.01 5.98,11.39, height 1.43
MURATA_DLW21H [mm] "Murata DLW21H series CMC"
  rect 0.9x0.5 smd: 1(-1,0.5) 2(1,0.5) 3(1,-0.5) 4(-1,-0.5)
  silkscreen extent -0.25,-0.7 0.25,0.7, body extent -1.1,-0.7 1.1,0.7, height 1
MURATA_UWS [mm] "Murata UWS 8-Pin 1/16 Brick module"
  round 2.75 hole 1.5: 1(0,7.62) 2(0,0) 3(0,-7.62)
  round 3.5 hole 2: 4(27.94,-7.62) 8(27.94,7.62)
  round 2.5 hole 1.5: 5(27.94,-3.81) 6(27.94,0) 7(27.94,3.81)
  silkscreen extent -2.6,-11.55 30.65,11.55, body extent -2.6,-11.56 30.67,11.55, height 9.1
net_tie_0 [mm] "Net Tie"
  round 0.5 smd: 1(-0.5,0) 2(0.5,0)
  Top Layer lines w0.3: 0.5,0 -0.5,0
QFN-32-EP [mm]
  rect 0.7x0.25 smd mask+0.05: 1(-2.375,1.75) 2(-2.375,1.25) 3(-2.375,0.75) 4(-2.375,0.25) 5(-2.375,-0.25) 6(-2.375,-0.75) 7(-2.375,-1.25) 8(-2.375,-1.75) 17(2.375,-1.75) 18(2.375,-1.25) 19(2.375,-0.75) 20(2.375,-0.25) 21(2.375,0.25) 22(2.375,0.75) 23(2.375,1.25) 24(2.375,1.75)
  rect 0.25x0.7 smd mask+0.05: 9(-1.75,-2.375) 10(-1.25,-2.375) 11(-0.75,-2.375) 12(-0.25,-2.375) 13(0.25,-2.375) 14(0.75,-2.375) 15(1.25,-2.375) 16(1.75,-2.375) 25(1.75,2.375) 26(1.25,2.375) 27(0.75,2.375) 28(0.25,2.375) 29(-0.25,2.375) 30(-0.75,2.375) 31(-1.25,2.375) 32(-1.75,2.375)
  rect 3.2x3.2 smd: 33(0,0)
  silkscreen extent -3.22,-2.5 2.5,2.5
SO-8 [mm] "SO-8 Package"
  oval 1.45x0.6 smd: 1(-2.725,1.905) 2(-2.725,0.635) 3(-2.725,-0.635) 4(-2.725,-1.905) 5(2.725,-1.905) 6(2.725,-0.635) 7(2.725,0.635) 8(2.725,1.905)
  silkscreen extent -2.85,-2.5 1.6,2.88, body extent -3.08,-2.5 3.08,2.5, height 2
SO-16 [mm]
  rect 1.45x0.6 smd: 1(-2.725,4.445)
  oval 1.45x0.6 smd: 2(-2.725,3.175) 3(-2.725,1.905) 4(-2.725,0.635) 5(-2.725,-0.635) 6(-2.725,-1.905) 7(-2.725,-3.175) 8(-2.725,-4.445) 9(2.725,-4.445) 10(2.725,-3.175) 11(2.725,-1.905) 12(2.725,-0.635) 13(2.725,0.635) 14(2.725,1.905) 15(2.725,3.175) 16(2.725,4.445)
  silkscreen extent -2.87,-5 1.6,5.57, body extent -3.11,-5.04 3.06,5.04, height 2
SO-16-6.3mm [mm] "Slightly wider SOIC-16 (6.3mm)"
  rect 1.45x0.6 smd: 1(-3.15,4.445)
  oval 1.45x0.6 smd: 2(-3.15,3.175) 3(-3.15,1.905) 4(-3.15,0.635) 5(-3.15,-0.635) 6(-3.15,-1.905) 7(-3.15,-3.175) 8(-3.15,-4.445) 9(3.15,-4.445) 10(3.15,-3.175) 11(3.15,-1.905) 12(3.15,-0.635) 13(3.15,0.635) 14(3.15,1.905) 15(3.15,3.175) 16(3.15,4.445)
  silkscreen extent -2.87,-5 1.6,5.57, body extent -3.11,-5.04 3.06,5.04, height 2
sod123_0 [mm] "SOD123, 1.65mm x 2.70mm"
  rect 1.35x1 smd: 1(-1.425,0) 2(1.425,0)
  silkscreen extent -2.13,-0.9 1.25,1.12, body extent -1.45,-0.9 1.45,0.9, height 1
sot-23-3 [mm] "SOT-23-3 package"
  rect 0.9x0.6 smd: 1(-1.15,0.95) 2(-1.15,-0.95) 3(1.15,0)
  silkscreen extent -1.27,-1.5 0.7,1.92, body extent -1.42,-1.5 1.42,1.5, height 1.2
sot-23-5 [mm] "SOT23, 5-Leads, Body 2.90x2.80mm, Pitch 0.95mm, IPC Medium Density"
  rect 1x0.6 smd: 1(-1.35,0.95) 2(-1.35,0) 3(-1.35,-0.95) 4(1.35,-0.95) 5(1.35,0.95)
  silkscreen extent -1.47,-1.5 0.45,1.92, body extent -1.42,-1.5 1.42,1.5, height 1.2
sot-23-6 [mm] "SOT23, 6-Leads, Body 2.90x2.80mm, Pitch 0.95mm, IPC Medium Density"
  rect 1x0.6 smd: 1(-1.35,0.95) 2(-1.35,0) 3(-1.35,-0.95) 4(1.35,-0.95) 5(1.35,0) 6(1.35,0.95)
  silkscreen extent -1.47,-1.5 0.45,1.93, body extent -1.42,-1.5 1.42,1.5, height 1.2
SOW-16 [mm] "Small Outline Wide Body"
  rect 1.65x0.6 smd: 1(-4.9,4.445)
  oval 1.65x0.6 smd: 2(-4.9,3.175) 3(-4.9,1.905) 4(-4.9,0.635) 5(-4.9,-0.635) 6(-4.9,-1.905) 7(-4.9,-3.175) 8(-4.9,-4.445) 9(4.9,-4.445) 10(4.9,-3.175) 11(4.9,-1.905) 12(4.9,-0.635) 13(4.9,0.635) 14(4.9,1.905) 15(4.9,3.175) 16(4.9,4.445)
  silkscreen extent -3.1,-5.26 3.23,5.25, body extent -5.1,-5.03 5.06,5.05, height 1.97
SWITCHCRAFT_RAPC722X [mm] "2x5.5mm Barrel Connector"
  oval 4.7x2.2 hole 1.05 slot 3.56 at 0 deg: 1(0,13.75)
  oval 4.2x2.2 hole 3.05 slot 1.05 at 90 deg: 2(0,7.5)
  oval 2.2x4.2 hole 3.05 slot 1.05 at 0 deg: 3(4.8,10.75)
  silkscreen extent -4.5,0 5.05,14.55, body extent -4.5,0 5.05,14.54, height 10.96
TE_1932638-3 [mm] "TE Connectivity USB A Jack Right-Angle"
  rect 1.5x3.25 smd: 1(-3.5,0) 4(3.5,0)
  rect 1.25x3.25 smd: 2(-1,0) 3(1,0)
  oval 2.8x4.8 hole 0.7 slot 2.7 at 90 deg: 5(-6.9,-9.18) 5(6.9,-9.18)
  oval 2.7x4 hole 0.7 slot 1.9 at 90 deg: 5(-6.45,-2.27) 5(6.45,-2.27)
  silkscreen extent -7.3,-13.9 7.3,-4.5, body extent -7.32,-13.89 7.32,1.05, height 7.63
TE_CONN_1-1393644-6 [mm] "TE Connectivity DIN 41612"
  round 3 hole 2.8: 0(-83.82,-2.54) 0(5.08,-2.54)
  round 1.7 hole 1: A1(0,0) A2(-2.54,0) A3(-5.08,0) A4(-7.62,0) A5(-10.16,0) A6(-12.7,0) A7(-15.24,0) A8(-17.78,0) A9(-20.32,0) A10(-22.86,0) A11(-25.4,0) A12(-27.94,0) A13(-30.48,0) A14(-33.02,0) A15(-35.56,0) A16(-38.1,0) A17(-40.64,0) A18(-43.18,0) A19(-45.72,0) A20(-48.26,0) A21(-50.8,0) A22(-53.34,0) A23(-55.88,0) A24(-58.42,0) A25(-60.96,0) A26(-63.5,0) A27(-66.04,0) A28(-68.58,0) A29(-71.12,0) A30(-73.66,0) A31(-76.2,0) A32(-78.74,0) B1(0,2.54) B2(-2.54,2.54) B3(-5.08,2.54) B4(-7.62,2.54) B5(-10.16,2.54) B6(-12.7,2.54) B7(-15.24,2.54) B8(-17.78,2.54) B9(-20.32,2.54) B10(-22.86,2.54) B11(-25.4,2.54) B12(-27.94,2.54) B13(-30.48,2.54) B14(-33.02,2.54) B15(-35.56,2.54) B16(-38.1,2.54) B17(-40.64,2.54) B18(-43.18,2.54) B19(-45.72,2.54) B20(-48.26,2.54) B21(-50.8,2.54) B22(-53.34,2.54) B23(-55.88,2.54) B24(-58.42,2.54) B25(-60.96,2.54) B26(-63.5,2.54) B27(-66.04,2.54) B28(-68.58,2.54) B29(-71.12,2.54) B30(-73.66,2.54) B31(-76.2,2.54) B32(-78.74,2.54) C1(0,5.08) C2(-2.54,5.08) C3(-5.08,5.08) C4(-7.62,5.08) C5(-10.16,5.08) C6(-12.7,5.08) C7(-15.24,5.08) C8(-17.78,5.08) C9(-20.32,5.08) C10(-22.86,5.08) C11(-25.4,5.08) C12(-27.94,5.08) C13(-30.48,5.08) C14(-33.02,5.08) C15(-35.56,5.08) C16(-38.1,5.08) C17(-40.64,5.08) C18(-43.18,5.08) C19(-45.72,5.08) C20(-48.26,5.08) C21(-50.8,5.08) C22(-53.34,5.08) C23(-55.88,5.08) C24(-58.42,5.08) C25(-60.96,5.08) C26(-63.5,5.08) C27(-66.04,5.08) C28(-68.58,5.08) C29(-71.12,5.08) C30(-73.66,5.08) C31(-76.2,5.08) C32(-78.74,5.08)
  silkscreen extent -86.35,-5.4 7.61,-0.01, body extent -86.37,-12.7 7.63,5.38, height 9.57